# EAGLE board Mk4 Final Panel 6up 3x2 (EAGLE 9.0.1), part 7 of 18 (continued)
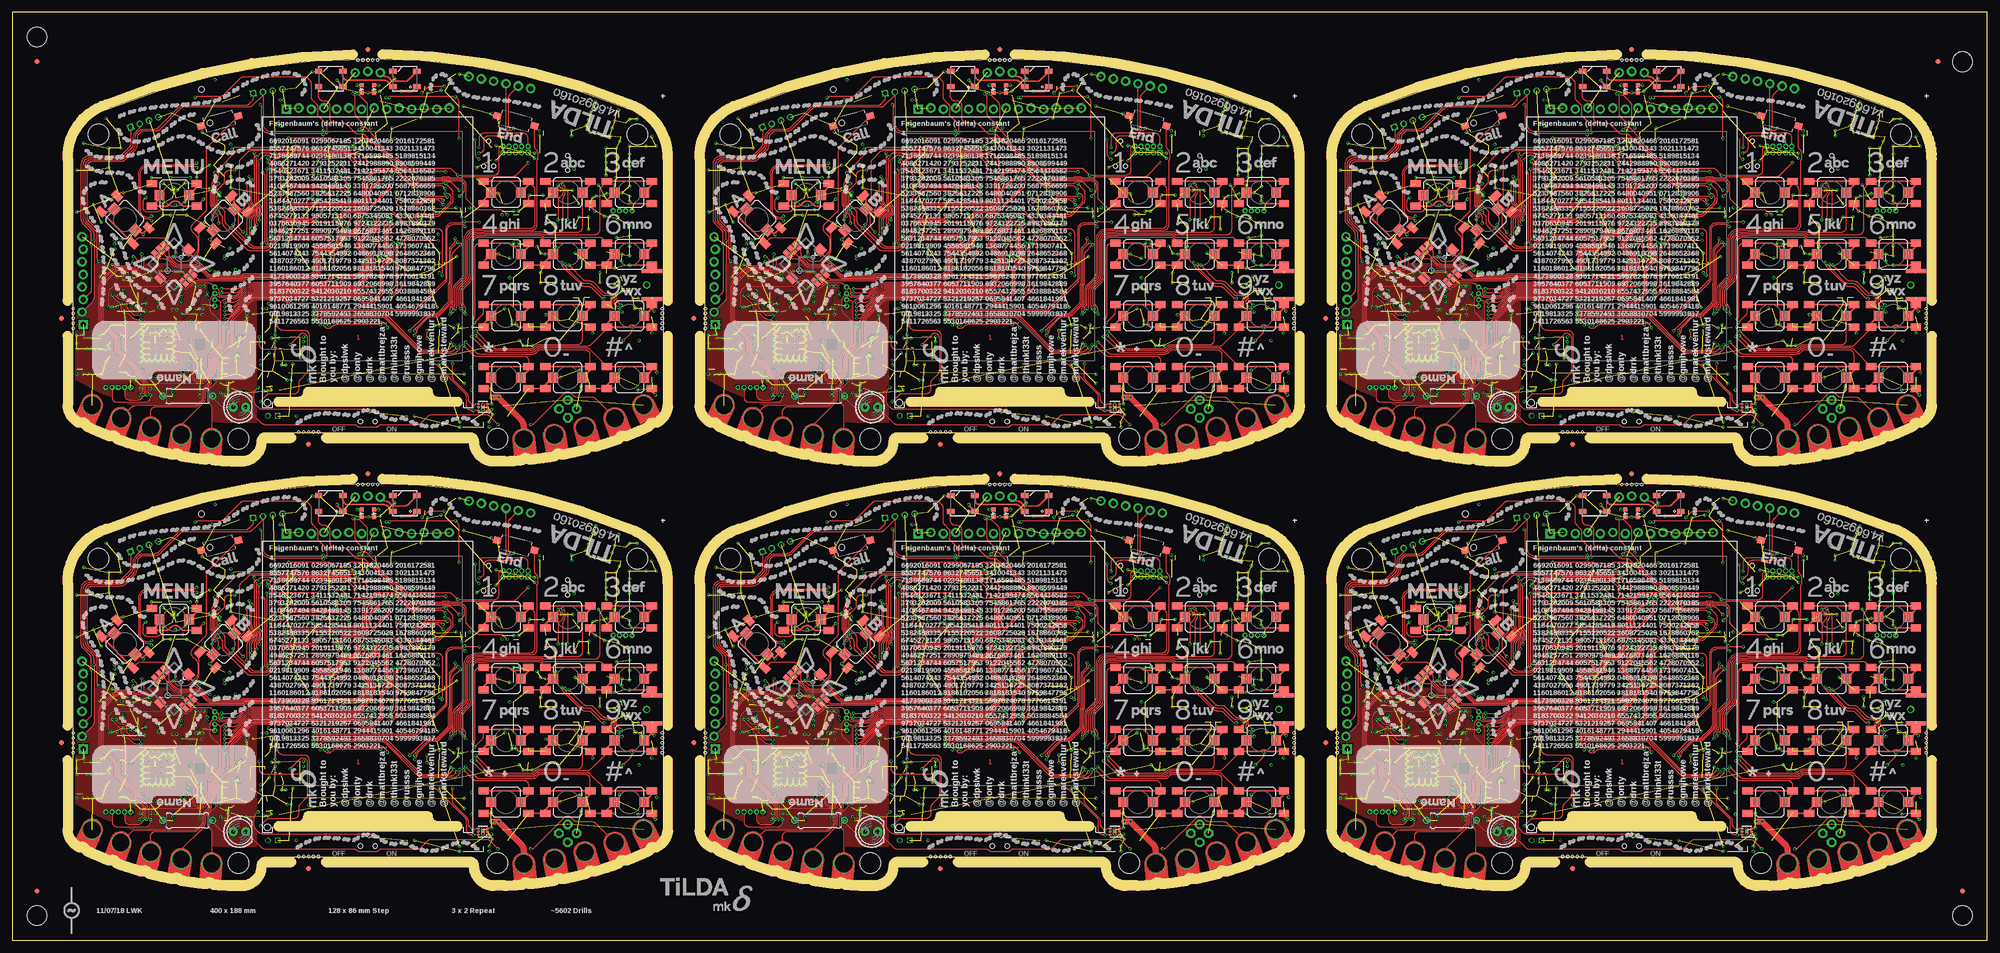
[diagram p0: board, top side]
## Tracks (layer width: path | path; a pad name or v marks a point on that pad's centre or on a via) (continued)
CC_!RTS1
  Bottom 0.2: IC29.50 163.04,37.75 arc-45 163.4,37.6 163.65,37.35 arc45 164.01,37.2 166.05,37.2 arc90 166.55,37.7 166.55,37.8 R148.1
CC_!RTS2
  Bottom 0.2: IC47.50 35.04,123.75 arc-45 35.4,123.6 35.65,123.35 arc45 36.01,123.2 38.05,123.2 arc90 38.55,123.7 38.55,123.8 R226.1
CC_!RTS3
  Bottom 0.2: IC65.50 163.04,123.75 arc-45 163.4,123.6 163.65,123.35 arc45 164.01,123.2 166.05,123.2 arc90 166.55,123.7 166.55,123.8 R304.1
CC_!RTS4
  Bottom 0.2: IC83.50 291.04,37.75 arc-45 291.4,37.6 291.65,37.35 arc45 292.01,37.2 294.05,37.2 arc90 294.55,37.7 294.55,37.8 R382.1
CC_!RTS6
  Bottom 0.2: IC119.50 291.04,123.75 arc-45 291.4,123.6 291.65,123.35 arc45 292.01,123.2 294.05,123.2 arc90 294.55,123.7 294.55,123.8 R538.1
CC_IRQ  (via drill 0.3)
  Top 0.15: v26.25,29.44 26.27,29.41 26.27,29.23 28.56,26.94 arc45 29.26,26.65 38.15,26.65 arc90 39.4,27.9 arc-45 39.91,29.14 39.96,29.18 arc45 40.4,30.25 40.4,31.6 arc-45 40.99,33.01 42.12,34.15 arc45 42.56,35.21 42.56,38.02 arc-45 42.86,38.73 47.99,43.86 arc-45 49.05,44.3 69.69,44.3 arc-45 70.39,44.01 70.91,43.49 arc45 71.61,43.2 71.89,43.2 arc45 72.59,43.49 74.21,45.11 arc45 74.5,45.81 74.5,49.68 arc-45 74.94,50.74 75.96,51.76 arc45 76.33,52.64 76.33,53.09 76.3,53.12 arc45 76.12,53.56 75.89,53.78 arc-45 75.6,54.49 75.6,57.44 arc-45 75.89,58.15 76.13,58.39 arc45 76.28,58.74 76.28,59.27 arc-45 76.42,59.62 v76.8,60
  Bottom 0.15: R72.1 26.25,27.75 v26.25,29.44 IC15.15 | IC1.123 78.82,60.8 arc45 78.78,60.78 arc-45 78.64,60.73 78.36,60.73 arc-45 78.22,60.78 78.17,60.84 arc45 78.03,60.9 76.08,60.9 arc90 75.58,60.4 75.58,60.2 arc90 76.08,59.7 76.5,59.7 v76.8,60
CC_IRQ1  (via drill 0.3)
  Top 0.15: v154.25,29.44 154.28,29.41 154.28,29.23 156.56,26.94 arc45 157.26,26.65 166.15,26.65 arc90 167.4,27.9 arc-45 167.91,29.14 167.96,29.18 arc45 168.4,30.25 168.4,31.6 arc-45 168.99,33.01 170.12,34.15 arc45 170.56,35.21 170.56,38.02 arc-45 170.86,38.73 175.99,43.86 arc-45 177.05,44.3 197.69,44.3 arc-45 198.39,44.01 198.91,43.49 arc45 199.61,43.2 199.89,43.2 arc45 200.59,43.49 202.21,45.11 arc45 202.5,45.81 202.5,49.68 arc-45 202.94,50.74 203.96,51.76 arc45 204.32,52.64 204.32,53.09 204.3,53.12 arc45 204.12,53.56 203.89,53.78 arc-45 203.6,54.49 203.6,57.44 arc-45 203.89,58.15 204.13,58.39 arc45 204.28,58.74 204.28,59.27 arc-45 204.42,59.62 v204.8,60
  Bottom 0.15: R150.1 154.25,27.75 v154.25,29.44 IC29.15 | IC20.123 206.82,60.8 arc45 206.78,60.78 arc-45 206.63,60.73 206.37,60.73 arc-45 206.22,60.78 206.17,60.84 arc45 206.03,60.9 204.07,60.9 arc90 203.57,60.4 203.57,60.2 arc90 204.07,59.7 204.5,59.7 v204.8,60
CC_IRQ2  (via drill 0.3)
  Top 0.15: v26.25,115.44 26.27,115.41 26.27,115.22 28.56,112.94 arc45 29.26,112.65 38.15,112.65 arc90 39.4,113.9 arc-45 39.91,115.14 39.96,115.19 arc45 40.4,116.25 40.4,117.6 arc-45 40.99,119.01 42.12,120.15 arc45 42.56,121.21 42.56,124.02 arc-45 42.86,124.73 47.99,129.86 arc-45 49.05,130.3 69.69,130.3 arc-45 70.39,130.01 70.91,129.49 arc45 71.61,129.2 71.89,129.2 arc45 72.59,129.49 74.21,131.11 arc45 74.5,131.81 74.5,135.68 arc-45 74.94,136.74 75.96,137.76 arc45 76.33,138.64 76.33,139.09 76.3,139.12 arc45 76.12,139.56 75.89,139.78 arc-45 75.6,140.49 75.6,143.44 arc-45 75.89,144.15 76.13,144.39 arc45 76.28,144.74 76.28,145.27 arc-45 76.42,145.62 v76.8,146
  Bottom 0.15: R228.1 26.25,113.75 v26.25,115.44 IC47.15 | IC38.123 78.82,146.8 arc45 78.78,146.78 arc-45 78.64,146.72 78.36,146.72 arc-45 78.22,146.78 78.17,146.84 arc45 78.03,146.9 76.08,146.9 arc90 75.58,146.4 75.58,146.2 arc90 76.08,145.7 76.5,145.7 v76.8,146
CC_IRQ3  (via drill 0.3)
  Top 0.15: v154.25,115.44 154.28,115.41 154.28,115.22 156.56,112.94 arc45 157.26,112.65 166.15,112.65 arc90 167.4,113.9 arc-45 167.91,115.14 167.96,115.19 arc45 168.4,116.25 168.4,117.6 arc-45 168.99,119.01 170.12,120.15 arc45 170.56,121.21 170.56,124.02 arc-45 170.86,124.73 175.99,129.86 arc-45 177.05,130.3 197.69,130.3 arc-45 198.39,130.01 198.91,129.49 arc45 199.61,129.2 199.89,129.2 arc45 200.59,129.49 202.21,131.11 arc45 202.5,131.81 202.5,135.68 arc-45 202.94,136.74 203.96,137.76 arc45 204.32,138.64 204.32,139.09 204.3,139.12 arc45 204.12,139.56 203.89,139.78 arc-45 203.6,140.49 203.6,143.44 arc-45 203.89,144.15 204.13,144.39 arc45 204.28,144.74 204.28,145.27 arc-45 204.42,145.62 v204.8,146
  Bottom 0.15: R306.1 154.25,113.75 v154.25,115.44 IC65.15 | IC56.123 206.82,146.8 arc45 206.78,146.78 arc-45 206.63,146.72 206.37,146.72 arc-45 206.22,146.78 206.17,146.84 arc45 206.03,146.9 204.07,146.9 arc90 203.57,146.4 203.57,146.2 arc90 204.07,145.7 204.5,145.7 v204.8,146
CC_IRQ4  (via drill 0.3)
  Top 0.15: v282.25,29.44 282.27,29.41 282.27,29.23 284.56,26.94 arc45 285.26,26.65 294.15,26.65 arc90 295.4,27.9 arc-45 295.91,29.14 295.96,29.18 arc45 296.4,30.25 296.4,31.6 arc-45 296.99,33.01 298.12,34.15 arc45 298.56,35.21 298.56,38.02 arc-45 298.86,38.73 303.99,43.86 arc-45 305.05,44.3 325.69,44.3 arc-45 326.39,44.01 326.91,43.49 arc45 327.61,43.2 327.89,43.2 arc45 328.59,43.49 330.21,45.11 arc45 330.5,45.81 330.5,49.68 arc-45 330.94,50.74 331.96,51.76 arc45 332.32,52.64 332.32,53.09 332.3,53.12 arc45 332.12,53.56 331.89,53.78 arc-45 331.6,54.49 331.6,57.44 arc-45 331.89,58.15 332.13,58.39 arc45 332.27,58.74 332.27,59.27 arc-45 332.42,59.62 v332.8,60
  Bottom 0.15: R384.1 282.25,27.75 v282.25,29.44 IC83.15 | IC74.123 334.82,60.8 arc45 334.78,60.78 arc-45 334.63,60.73 334.37,60.73 arc-45 334.22,60.78 334.17,60.84 arc45 334.02,60.9 332.07,60.9 arc90 331.57,60.4 331.57,60.2 arc90 332.07,59.7 332.5,59.7 v332.8,60
CC_IRQ6  (via drill 0.3)
  Top 0.15: v282.25,115.44 282.27,115.41 282.27,115.22 284.56,112.94 arc45 285.26,112.65 294.15,112.65 arc90 295.4,113.9 arc-45 295.91,115.14 295.96,115.19 arc45 296.4,116.25 296.4,117.6 arc-45 296.99,119.01 298.12,120.15 arc45 298.56,121.21 298.56,124.02 arc-45 298.86,124.73 303.99,129.86 arc-45 305.05,130.3 325.69,130.3 arc-45 326.39,130.01 326.91,129.49 arc45 327.61,129.2 327.89,129.2 arc45 328.59,129.49 330.21,131.11 arc45 330.5,131.81 330.5,135.68 arc-45 330.94,136.74 331.96,137.76 arc45 332.32,138.64 332.32,139.09 332.3,139.12 arc45 332.12,139.56 331.89,139.78 arc-45 331.6,140.49 331.6,143.44 arc-45 331.89,144.15 332.13,144.39 arc45 332.27,144.74 332.27,145.27 arc-45 332.42,145.62 v332.8,146
  Bottom 0.15: R540.1 282.25,113.75 v282.25,115.44 IC119.15 | IC110.123 334.82,146.8 arc45 334.78,146.78 arc-45 334.63,146.72 334.37,146.72 arc-45 334.22,146.78 334.17,146.84 arc45 334.02,146.9 332.07,146.9 arc90 331.57,146.4 331.57,146.2 arc90 332.07,145.7 332.5,145.7 v332.8,146
CC_RCT_XTAL_N
  Bottom 0.25: C100.2 38.05,33.25 X3.P$1 37.25,33.2 arc-90 36.75,33.7 36.75,35.44 arc45 36.6,35.8 36.15,36.25 arc45 35.79,36.4 35.56,36.4 arc-45 35.2,36.55 35.15,36.6 arc45 34.79,36.75 IC15.52
CC_RCT_XTAL_N1
  Bottom 0.25: C208.2 166.05,33.25 X7.P$1 165.25,33.2 arc-90 164.75,33.7 164.75,35.44 arc45 164.6,35.8 164.15,36.25 arc45 163.79,36.4 163.56,36.4 arc-45 163.2,36.55 163.15,36.6 arc45 162.79,36.75 IC29.52
CC_RCT_XTAL_N2
  Bottom 0.25: C316.2 38.05,119.25 X11.P$1 37.25,119.2 arc-90 36.75,119.7 36.75,121.44 arc45 36.6,121.8 36.15,122.25 arc45 35.79,122.4 35.56,122.4 arc-45 35.2,122.55 35.15,122.6 arc45 34.79,122.75 IC47.52
CC_RCT_XTAL_N3
  Bottom 0.25: C424.2 166.05,119.25 X15.P$1 165.25,119.2 arc-90 164.75,119.7 164.75,121.44 arc45 164.6,121.8 164.15,122.25 arc45 163.79,122.4 163.56,122.4 arc-45 163.2,122.55 163.15,122.6 arc45 162.79,122.75 IC65.52
CC_RCT_XTAL_N4
  Bottom 0.25: C532.2 294.05,33.25 X19.P$1 293.25,33.2 arc-90 292.75,33.7 292.75,35.44 arc45 292.6,35.8 292.15,36.25 arc45 291.79,36.4 291.56,36.4 arc-45 291.2,36.55 291.15,36.6 arc45 290.79,36.75 IC83.52
CC_RCT_XTAL_N6
  Bottom 0.25: C748.2 294.05,119.25 X27.P$1 293.25,119.2 arc-90 292.75,119.7 292.75,121.44 arc45 292.6,121.8 292.15,122.25 arc45 291.79,122.4 291.56,122.4 arc-45 291.2,122.55 291.15,122.6 arc45 290.79,122.75 IC119.52
CC_RESERVED@1
  Bottom 0.15: IC29.19 152.72,31.75 arc90 152.47,31.5 152.47,30.53 153,30.01 R143.1
CC_RESERVED@2
  Bottom 0.15: IC47.19 24.73,117.75 arc90 24.48,117.5 24.48,116.53 25,116.01 R221.1
CC_RESERVED@3
  Bottom 0.15: IC65.19 152.72,117.75 arc90 152.47,117.5 152.47,116.53 153,116.01 R299.1
CC_RESERVED@4
  Bottom 0.15: IC83.19 280.73,31.75 arc90 280.48,31.5 280.48,30.53 281,30.01 R377.1
CC_RESERVED@6
  Bottom 0.15: IC119.19 280.73,117.75 arc90 280.48,117.5 280.48,116.53 281,116.01 R533.1
CC_RESERVED@19
  Bottom 0.15: IC15.19 24.73,31.75 arc90 24.48,31.5 24.48,30.53 25,30.01 R65.1
CC_RTC_XTAL_P
  Bottom 0.25: C101.2 38.05,36.25 X3.P$2 36.91,36.3 arc-45 36.55,36.45 36.32,36.68 arc45 35.97,36.83 35.85,36.83 arc-45 35.5,36.97 35.37,37.1 arc45 35.01,37.25 IC15.51
CC_RTC_XTAL_P1
  Bottom 0.25: C209.2 166.05,36.25 X7.P$2 164.91,36.3 arc-45 164.55,36.45 164.32,36.68 arc45 163.97,36.83 163.85,36.83 arc-45 163.5,36.97 163.37,37.1 arc45 163.01,37.25 IC29.51
CC_RTC_XTAL_P2
  Bottom 0.25: C317.2 38.05,122.25 X11.P$2 36.91,122.3 arc-45 36.55,122.45 36.32,122.68 arc45 35.97,122.83 35.85,122.83 arc-45 35.5,122.97 35.37,123.1 arc45 35.01,123.25 IC47.51
CC_RTC_XTAL_P3
  Bottom 0.25: C425.2 166.05,122.25 X15.P$2 164.91,122.3 arc-45 164.55,122.45 164.32,122.68 arc45 163.97,122.83 163.85,122.83 arc-45 163.5,122.97 163.37,123.1 arc45 163.01,123.25 IC65.51
CC_RTC_XTAL_P4
  Bottom 0.25: C533.2 294.05,36.25 X19.P$2 292.91,36.3 arc-45 292.55,36.45 292.32,36.68 arc45 291.97,36.83 291.85,36.83 arc-45 291.5,36.97 291.37,37.1 arc45 291.01,37.25 IC83.51
CC_RTC_XTAL_P6
  Bottom 0.25: C749.2 294.05,122.25 X27.P$2 292.91,122.3 arc-45 292.55,122.45 292.32,122.68 arc45 291.97,122.83 291.85,122.83 arc-45 291.5,122.97 291.37,123.1 arc45 291.01,123.25 IC119.51
CC_TEST1
  Bottom 0.15: IC29.62 162.32,31.75 arc-90 162.53,31.55 162.53,29.27 TP38.TP
CC_TEST2
  Bottom 0.15: IC47.62 34.33,117.75 arc-90 34.52,117.55 34.52,115.28 TP57.TP
CC_TEST3
  Bottom 0.15: IC65.62 162.32,117.75 arc-90 162.53,117.55 162.53,115.28 TP76.TP
CC_TEST4
  Bottom 0.15: IC83.62 290.32,31.75 arc-90 290.52,31.55 290.52,29.27 TP95.TP
CC_TEST6
  Bottom 0.15: IC119.62 290.32,117.75 arc-90 290.52,117.55 290.52,115.28 TP133.TP
CC_TEST62
  Bottom 0.15: IC15.62 34.33,31.75 arc-90 34.52,31.55 34.52,29.27 TP19.TP
CC_WLAN_XTAL_
  Bottom 0.15: X4.3 19.88,30.32 20.51,30.96 arc-45 21.21,31.25 22.04,31.25 arc-45 22.74,30.96 C99.2 arc90 23.88,31.68 23.88,32.5 arc-90 24.62,33.25 IC15.22
CC_WLAN_XTAL_1
  Bottom 0.15: X8.3 147.88,30.32 148.51,30.96 arc-45 149.21,31.25 150.04,31.25 arc-45 150.74,30.96 C207.2 arc90 151.88,31.68 151.88,32.5 arc-90 152.62,33.25 IC29.22
CC_WLAN_XTAL_2
  Bottom 0.15: X12.3 19.88,116.33 20.51,116.96 arc-45 21.21,117.25 22.04,117.25 arc-45 22.74,116.96 C315.2 arc90 23.88,117.67 23.88,118.5 arc-90 24.62,119.25 IC47.22
CC_WLAN_XTAL_3
  Bottom 0.15: X16.3 147.88,116.33 148.51,116.96 arc-45 149.21,117.25 150.04,117.25 arc-45 150.74,116.96 C423.2 arc90 151.88,117.67 151.88,118.5 arc-90 152.62,119.25 IC65.22
CC_WLAN_XTAL_4
  Bottom 0.15: X20.3 275.88,30.32 276.51,30.96 arc-45 277.21,31.25 278.04,31.25 arc-45 278.74,30.96 C531.2 arc90 279.88,31.68 279.88,32.5 arc-90 280.62,33.25 IC83.22
CC_WLAN_XTAL_6
  Bottom 0.15: X28.3 275.88,116.33 276.51,116.96 arc-45 277.21,117.25 278.04,117.25 arc-45 278.74,116.96 C747.2 arc90 279.88,117.67 279.88,118.5 arc-90 280.62,119.25 IC119.22
CC_WLAN_XTAL_P
  Bottom 0.15: X4.1 22.38,31.75 C98.2 arc90 23.58,32.38 23.58,32.75 arc-90 24.58,33.75 IC15.23
CC_WLAN_XTAL_P1
  Bottom 0.15: X8.1 150.38,31.75 C206.2 arc90 151.57,32.38 151.57,32.75 arc-90 152.57,33.75 IC29.23
CC_WLAN_XTAL_P2
  Bottom 0.15: X12.1 22.38,117.75 C314.2 arc90 23.58,118.38 23.58,118.75 arc-90 24.58,119.75 IC47.23
CC_WLAN_XTAL_P3
  Bottom 0.15: X16.1 150.38,117.75 C422.2 arc90 151.57,118.38 151.57,118.75 arc-90 152.57,119.75 IC65.23
CC_WLAN_XTAL_P4
  Bottom 0.15: X20.1 278.38,31.75 C530.2 arc90 279.57,32.38 279.57,32.75 arc-90 280.57,33.75 IC83.23
CC_WLAN_XTAL_P6
  Bottom 0.15: X28.1 278.38,117.75 C746.2 arc90 279.57,118.38 279.57,118.75 arc-90 280.57,119.75 IC119.23
DCDC_ANA_SW
  Bottom 0.25: 28.25,42.7 IC15.38
  Bottom 0.4: L7.2 27.6,44.21 arc45 27.89,43.51 27.96,43.44 arc-45 28.25,42.74 28.25,42.7
DCDC_ANA_SW1
  Bottom 0.25: 156.25,42.7 IC29.38
  Bottom 0.4: L16.2 155.6,44.21 arc45 155.89,43.51 155.96,43.44 arc-45 156.25,42.74 156.25,42.7
DCDC_ANA_SW2
  Bottom 0.25: 28.25,128.7 IC47.38
  Bottom 0.4: L25.2 27.6,130.21 arc45 27.89,129.51 27.96,129.44 arc-45 28.25,128.74 28.25,128.7
DCDC_ANA_SW3
  Bottom 0.25: 156.25,128.7 IC65.38
  Bottom 0.4: L34.2 155.6,130.21 arc45 155.89,129.51 155.96,129.44 arc-45 156.25,128.74 156.25,128.7
DCDC_ANA_SW4
  Bottom 0.25: 284.25,42.7 IC83.38
  Bottom 0.4: L43.2 283.6,44.21 arc45 283.89,43.51 283.96,43.44 arc-45 284.25,42.74 284.25,42.7
DCDC_ANA_SW6
  Bottom 0.25: 284.25,128.7 IC119.38
  Bottom 0.4: L61.2 283.6,130.21 arc45 283.89,129.51 283.96,129.44 arc-45 284.25,128.74 284.25,128.7
DCDC_DIG_SW
  Bottom 0.25: IC15.43 30.75,39.79 arc-45 31.04,40.49 31.56,41.01 arc45 31.85,41.71 arc-45 32.12,42.37 32.21,42.46 arc-45 32.91,42.75 35.85,42.75 L9.2
DCDC_DIG_SW1
  Bottom 0.25: IC29.43 158.75,39.79 arc-45 159.04,40.49 159.56,41.01 arc45 159.85,41.71 arc-45 160.12,42.37 160.21,42.46 arc-45 160.91,42.75 163.85,42.75 L18.2
DCDC_DIG_SW2
  Bottom 0.25: IC47.43 30.75,125.79 arc-45 31.04,126.49 31.56,127.01 arc45 31.85,127.71 arc-45 32.12,128.37 32.21,128.46 arc-45 32.91,128.75 35.85,128.75 L27.2
DCDC_DIG_SW3
  Bottom 0.25: IC65.43 158.75,125.79 arc-45 159.04,126.49 159.56,127.01 arc45 159.85,127.71 arc-45 160.12,128.37 160.21,128.46 arc-45 160.91,128.75 163.85,128.75 L36.2
DCDC_DIG_SW4
  Bottom 0.25: IC83.43 286.75,39.79 arc-45 287.04,40.49 287.56,41.01 arc45 287.85,41.71 arc-45 288.12,42.37 288.21,42.46 arc-45 288.91,42.75 291.85,42.75 L45.2
DCDC_DIG_SW6
  Bottom 0.25: IC119.43 286.75,125.79 arc-45 287.04,126.49 287.56,127.01 arc45 287.85,127.71 arc-45 288.12,128.37 288.21,128.46 arc-45 288.91,128.75 291.85,128.75 L63.2
DCDC_PA_SW_N
  Bottom 0.25: IC15.41 29.75,40.29 arc-45 30.04,40.99 30.75,41.7
  Bottom 0.3: 30.75,41.7 30.75,41.76 31,42.01 31,44 31.1,44.1
  Bottom 0.5: 31.1,44.1 31.1,45.59 arc45 30.95,45.95 30.3,46.6 L8.1
DCDC_PA_SW_N1
  Bottom 0.25: IC29.41 157.75,40.29 arc-45 158.04,40.99 158.75,41.7
  Bottom 0.3: 158.75,41.7 158.75,41.76 159,42.01 159,44 159.1,44.1
  Bottom 0.5: 159.1,44.1 159.1,45.59 arc45 158.95,45.95 158.3,46.6 L17.1
DCDC_PA_SW_N2
  Bottom 0.25: IC47.41 29.75,126.29 arc-45 30.04,126.99 30.75,127.7
  Bottom 0.3: 30.75,127.7 30.75,127.76 31,128.01 31,130 31.1,130.1
  Bottom 0.5: 31.1,130.1 31.1,131.59 arc45 30.95,131.95 30.3,132.6 L26.1
DCDC_PA_SW_N3
  Bottom 0.25: IC65.41 157.75,126.29 arc-45 158.04,126.99 158.75,127.7
  Bottom 0.3: 158.75,127.7 158.75,127.76 159,128.01 159,130 159.1,130.1
  Bottom 0.5: 159.1,130.1 159.1,131.59 arc45 158.95,131.95 158.3,132.6 L35.1
DCDC_PA_SW_N4
  Bottom 0.25: IC83.41 285.75,40.29 arc-45 286.04,40.99 286.75,41.7
  Bottom 0.3: 286.75,41.7 286.75,41.76 287,42.01 287,44 287.1,44.1
  Bottom 0.5: 287.1,44.1 287.1,45.59 arc45 286.95,45.95 286.3,46.6 L44.1
DCDC_PA_SW_N6
  Bottom 0.25: IC119.41 285.75,126.29 arc-45 286.04,126.99 286.75,127.7
  Bottom 0.3: 286.75,127.7 286.75,127.76 287,128.01 287,130 287.1,130.1
  Bottom 0.5: 287.1,130.1 287.1,131.59 arc45 286.95,131.95 286.3,132.6 L62.1
DCDC_PA_SW_P
  Bottom 0.25: IC15.40 29.25,40.55 arc-45 29.54,41.26 30.25,41.97 30.45,42.17
  Bottom 0.4: L8.2 30.45,44.4 30.45,42.17
DCDC_PA_SW_P1
  Bottom 0.25: IC29.40 157.25,40.55 arc-45 157.54,41.26 158.45,42.17
  Bottom 0.4: L17.2 158.45,44.4 158.45,42.17
DCDC_PA_SW_P2
  Bottom 0.25: IC47.40 29.25,126.55 arc-45 29.54,127.26 30.45,128.17
  Bottom 0.4: L26.2 30.45,130.4 30.45,128.17
DCDC_PA_SW_P3
  Bottom 0.25: IC65.40 157.25,126.55 arc-45 157.54,127.26 158.45,128.17
  Bottom 0.4: L35.2 158.45,130.4 158.45,128.17
DCDC_PA_SW_P4
  Bottom 0.25: IC83.40 285.25,40.55 arc-45 285.54,41.26 286.45,42.17
  Bottom 0.4: L44.2 286.45,44.4 286.45,42.17
DCDC_PA_SW_P6
  Bottom 0.25: IC119.40 285.25,126.55 arc-45 285.54,127.26 286.45,128.17
  Bottom 0.4: L62.2 286.45,130.4 286.45,128.17
EN0RXI_N
  Bottom 0.22: IC1.53 63.41,66.8 63.4,66.81 61.1,66.81 arc-90 58.81,69.1 58.81,69.3 58.81,76.8 arc-90 62.2,80.19 68.3,80.19 arc90 69.22,81.1 69.22,81.6 JP7.6
EN0RXI_N1
  Bottom 0.22: IC20.53 191.42,66.8 191.4,66.81 189.1,66.81 arc-90 186.81,69.1 186.81,76.8 arc-90 190.2,80.19 196.3,80.19 arc90 197.22,81.1 197.22,81.6 JP12.6
EN0RXI_N2
  Bottom 0.22: IC38.53 63.41,152.8 63.4,152.81 61.1,152.81 arc-90 58.81,155.1 58.81,162.8 arc-90 62.2,166.19 68.3,166.19 arc90 69.22,167.1 69.22,167.6 JP21.6
EN0RXI_N3
  Bottom 0.22: IC56.53 191.42,152.8 191.4,152.81 189.1,152.81 arc-90 186.81,155.1 186.81,162.8 arc-90 190.2,166.19 196.3,166.19 arc90 197.22,167.1 197.22,167.6 JP30.6
EN0RXI_N4
  Bottom 0.22: IC74.53 319.41,66.8 319.4,66.81 317.1,66.81 arc-90 314.81,69.1 314.81,76.8 arc-90 318.2,80.19 324.3,80.19 arc90 325.22,81.1 325.22,81.6 JP39.6
EN0RXI_N6
  Bottom 0.22: IC110.53 319.41,152.8 319.4,152.81 317.1,152.81 arc-90 314.81,155.1 314.81,162.8 arc-90 318.2,166.19 324.3,166.19 arc90 325.22,167.1 325.22,167.6 JP57.6
EN0RXI_P
  Bottom 0.22: IC1.54 63.41,67.2 63.4,67.19 61.1,67.19 arc-90 59.19,69.1 59.19,69.28 59.19,69.3 59.19,76.8 arc-90 62.2,79.81 68.3,79.81 arc90 69.58,81.1 69.58,81.23 JP7.7
EN0RXI_P1
  Bottom 0.22: IC20.54 191.42,67.2 191.4,67.19 189.1,67.19 arc-90 187.19,69.1 187.19,76.8 arc-90 190.2,79.81 196.3,79.81 arc90 197.58,81.1 197.58,81.23 JP12.7
EN0RXI_P2
  Bottom 0.22: IC38.54 63.41,153.2 63.4,153.19 61.1,153.19 arc-90 59.19,155.1 59.19,162.8 arc-90 62.2,165.81 68.3,165.81 arc90 69.58,167.1 69.58,167.23 JP21.7
EN0RXI_P3
  Bottom 0.22: IC56.54 191.42,153.2 191.4,153.19 189.1,153.19 arc-90 187.19,155.1 187.19,162.8 arc-90 190.2,165.81 196.3,165.81 arc90 197.58,167.1 197.58,167.23 JP30.7
EN0RXI_P4
  Bottom 0.22: IC74.54 319.41,67.2 319.4,67.19 317.1,67.19 arc-90 315.19,69.1 315.19,76.8 arc-90 318.2,79.81 324.3,79.81 arc90 325.59,81.1 325.59,81.23 JP39.7
EN0RXI_P6
  Bottom 0.22: IC110.54 319.41,153.2 319.4,153.19 317.1,153.19 arc-90 315.19,155.1 315.19,162.8 arc-90 318.2,165.81 324.3,165.81 arc90 325.59,167.1 325.59,167.23 JP57.7
EN0TXO_N
  Bottom 0.22: IC1.56 63.41,68 63.4,68.02 61.25,68.02 arc-90 59.87,69.4 59.87,76.45 arc-90 62.6,79.19 68.61,79.19 arc45 69.32,79.48 70.53,80.69 arc-45 71.24,80.98 78.36,80.98 arc-45 79.07,80.69 80.03,79.73 arc45 80.74,79.44 83.15,79.44 arc90 84.52,80.8 84.52,81.54 JP7.12
EN0TXO_N1
  Bottom 0.22: IC20.56 191.42,68 191.4,68.02 189.25,68.02 arc-90 187.87,69.4 187.87,76.45 arc-90 190.6,79.19 196.61,79.19 arc45 197.32,79.48 198.53,80.69 arc-45 199.24,80.98 206.36,80.98 arc-45 207.07,80.69 208.03,79.73 arc45 208.74,79.44 211.15,79.44 arc90 212.51,80.8 212.51,81.54 JP12.12
EN0TXO_N2
  Bottom 0.22: IC38.56 63.41,154 63.4,154.01 61.25,154.01 arc-90 59.87,155.4 59.87,162.45 arc-90 62.6,165.19 68.61,165.19 arc45 69.32,165.48 70.53,166.69 arc-45 71.24,166.99 78.36,166.99 arc-45 79.07,166.69 80.03,165.73 arc45 80.74,165.44 83.15,165.44 arc90 84.52,166.8 84.52,167.54 JP21.12
EN0TXO_N3
  Bottom 0.22: IC56.56 191.42,154 191.4,154.01 189.25,154.01 arc-90 187.87,155.4 187.87,162.45 arc-90 190.6,165.19 196.61,165.19 arc45 197.32,165.48 198.53,166.69 arc-45 199.24,166.99 206.36,166.99 arc-45 207.07,166.69 208.03,165.73 arc45 208.74,165.44 211.15,165.44 arc90 212.51,166.8 212.51,167.54 JP30.12
EN0TXO_N4
  Bottom 0.22: IC74.56 319.41,68 319.4,68.02 317.25,68.02 arc-90 315.87,69.4 315.87,76.45 arc-90 318.6,79.19 324.61,79.19 arc45 325.32,79.48 326.53,80.69 arc-45 327.24,80.98 334.36,80.98 arc-45 335.07,80.69 336.03,79.73 arc45 336.74,79.44 339.15,79.44 arc90 340.51,80.8 340.51,81.54 JP39.12
EN0TXO_N6
  Bottom 0.22: IC110.56 319.41,154 319.4,154.01 317.25,154.01 arc-90 315.87,155.4 315.87,162.45 arc-90 318.6,165.19 324.61,165.19 arc45 325.32,165.48 326.53,166.69 arc-45 327.24,166.99 334.36,166.99 arc-45 335.07,166.69 336.03,165.73 arc45 336.74,165.44 339.15,165.44 arc90 340.51,166.8 340.51,167.54 JP57.12
EN0TXO_P
  Bottom 0.22: IC1.57 63.41,68.4 63.4,68.38 61.25,68.38 arc-90 60.23,69.4 60.23,69.9 60.23,70 60.23,70.08 60.23,76.45 arc-90 62.6,78.81 68.76,78.81 arc45 69.47,79.11 70.68,80.32 arc-45 71.39,80.61 78.21,80.61 arc-45 78.92,80.32 79.88,79.36 arc45 80.59,79.06 83.15,79.06 arc90 84.89,80.8 84.89,81.29 JP7.13
EN0TXO_P1
  Bottom 0.22: IC20.57 191.42,68.4 191.4,68.38 189.25,68.38 arc-90 188.24,69.4 188.24,76.45 arc-90 190.6,78.81 196.76,78.81 arc45 197.47,79.11 198.68,80.32 arc-45 199.39,80.61 206.21,80.61 arc-45 206.92,80.32 207.88,79.36 arc45 208.59,79.06 211.15,79.06 arc90 212.88,80.8 212.88,81.29 JP12.13
EN0TXO_P2
  Bottom 0.22: IC38.57 63.41,154.4 63.4,154.38 61.25,154.38 arc-90 60.23,155.4 60.23,162.45 arc-90 62.6,164.81 68.76,164.81 arc45 69.47,165.11 70.68,166.32 arc-45 71.39,166.62 78.21,166.62 arc-45 78.92,166.32 79.88,165.36 arc45 80.59,165.06 83.15,165.06 arc90 84.89,166.8 84.89,167.29 JP21.13
EN0TXO_P3
  Bottom 0.22: IC56.57 191.42,154.4 191.4,154.38 189.25,154.38 arc-90 188.24,155.4 188.24,162.45 arc-90 190.6,164.81 196.76,164.81 arc45 197.47,165.11 198.68,166.32 arc-45 199.39,166.62 206.21,166.62 arc-45 206.92,166.32 207.88,165.36 arc45 208.59,165.06 211.15,165.06 arc90 212.88,166.8 212.88,167.29 JP30.13
EN0TXO_P4
  Bottom 0.22: IC74.57 319.41,68.4 319.4,68.38 317.25,68.38 arc-90 316.24,69.4 316.24,76.45 arc-90 318.6,78.81 324.76,78.81 arc45 325.47,79.11 326.68,80.32 arc-45 327.39,80.61 334.21,80.61 arc-45 334.92,80.32 335.88,79.36 arc45 336.59,79.06 339.15,79.06 arc90 340.88,80.8 340.88,81.29 JP39.13
EN0TXO_P6
  Bottom 0.22: IC110.57 319.41,154.4 319.4,154.38 317.25,154.38 arc-90 316.24,155.4 316.24,162.45 arc-90 318.6,164.81 324.76,164.81 arc45 325.47,165.11 326.68,166.32 arc-45 327.39,166.62 334.21,166.62 arc-45 334.92,166.32 335.88,165.36 arc45 336.59,165.06 339.15,165.06 arc90 340.88,166.8 340.88,167.29 JP57.13
ETHLED0
  Bottom 0.15: R1.2 56.5,78.51 arc45 56.79,77.81 57.51,77.09 arc-45 57.8,76.39 57.8,73.94 57.89,73.85 arc-90 57.89,73.15 57.8,73.06 57.8,69.19 57.89,69.1 arc-90 57.89,68.4 57.8,68.31 57.8,66.11 arc45 58.09,65.41 58.61,64.89 arc-45 58.9,64.19 58.9,63.4 arc90 59.9,62.4 IC1.42
ETHLED0_R
  Bottom 0.15: R1.1 arc-90 57.5,81 59.09,81 arc45 59.79,81.29 60.57,82.07 JP7.3
ETHLED0_R1
  Bottom 0.15: R85.1 arc-90 185.5,81 187.09,81 arc45 187.79,81.29 188.57,82.07 JP12.3
ETHLED0_R2
  Bottom 0.15: R163.1 arc-90 57.5,167 59.09,167 arc45 59.79,167.29 60.57,168.07 JP21.3
ETHLED0_R3
  Bottom 0.15: R241.1 arc-90 185.5,167 187.09,167 arc45 187.79,167.29 188.57,168.07 JP30.3
ETHLED0_R4
  Bottom 0.15: R319.1 arc-90 313.5,81 315.09,81 arc45 315.79,81.29 316.57,82.07 JP39.3
ETHLED0_R6
  Bottom 0.15: R475.1 arc-90 313.5,167 315.09,167 arc45 315.79,167.29 316.57,168.07 JP57.3
ETHLED1
  Bottom 0.15: R2.2 57.5,78.01 arc45 57.79,77.31 57.81,77.29 arc-45 58.1,76.59 58.1,74.07 58.14,74.03 arc-90 58.14,72.97 58.1,72.93 58.1,69.32 58.14,69.28 arc-90 58.14,68.22 58.1,68.18 58.1,66.31 arc45 58.39,65.61 59.01,64.99 arc-45 59.3,64.29 59.3,63.8 arc90 60.3,62.8 IC1.43
ETHLED1_R
  Bottom 0.15: R2.1 57.5,80.2 arc-90 58,80.7 59.42,80.7 arc45 59.77,80.85 59.78,80.85 arc-45 60.13,81 64.09,81 arc45 64.79,81.29 65.65,82.15 JP7.5
ETHLED1_R1
  Bottom 0.15: R86.1 185.5,80.2 arc-90 186,80.7 187.42,80.7 arc45 187.77,80.85 187.78,80.85 arc-45 188.13,81 192.09,81 arc45 192.79,81.29 193.65,82.15 JP12.5
ETHLED1_R2
  Bottom 0.15: R164.1 57.5,166.2 arc-90 58,166.7 59.42,166.7 arc45 59.77,166.85 59.78,166.85 arc-45 60.13,167 64.09,167 arc45 64.79,167.29 65.65,168.15 JP21.5
ETHLED1_R3
  Bottom 0.15: R242.1 185.5,166.2 arc-90 186,166.7 187.42,166.7 arc45 187.77,166.85 187.78,166.85 arc-45 188.13,167 192.09,167 arc45 192.79,167.29 193.65,168.15 JP30.5
ETHLED1_R4
  Bottom 0.15: R320.1 313.5,80.2 arc-90 314,80.7 315.42,80.7 arc45 315.77,80.85 315.78,80.85 arc-45 316.13,81 320.09,81 arc45 320.79,81.29 321.65,82.15 JP39.5
ETHLED1_R6
  Bottom 0.15: R476.1 313.5,166.2 arc-90 314,166.7 315.42,166.7 arc45 315.77,166.85 315.78,166.85 arc-45 316.13,167 320.09,167 arc45 320.79,167.29 321.65,168.15 JP57.5
ETHLED2
  Bottom 0.15: R85.2 184.5,78.51 arc45 184.79,77.81 185.51,77.09 arc-45 185.8,76.39 185.8,73.94 185.89,73.85 arc-90 185.89,73.15 185.8,73.06 185.8,69.19 185.89,69.1 arc-90 185.89,68.4 185.8,68.31 185.8,66.11 arc45 186.09,65.41 186.61,64.89 arc-45 186.9,64.19 186.9,63.4 arc90 187.9,62.4 IC20.42
ETHLED3
  Bottom 0.15: R86.2 185.5,78.01 arc45 185.79,77.31 185.81,77.29 arc-45 186.1,76.59 186.1,74.07 186.14,74.03 arc-90 186.14,72.97 186.1,72.93 186.1,69.32 186.14,69.28 arc-90 186.14,68.22 186.1,68.18 186.1,66.31 arc45 186.39,65.61 187.01,64.99 arc-45 187.3,64.29 187.3,63.8 arc90 188.3,62.8 IC20.43
ETHLED4
  Bottom 0.15: R163.2 56.5,164.51 arc45 56.79,163.81 57.51,163.09 arc-45 57.8,162.39 57.8,159.94 57.89,159.85 arc-90 57.89,159.15 57.8,159.06 57.8,155.19 57.89,155.1 arc-90 57.89,154.4 57.8,154.31 57.8,152.11 arc45 58.09,151.41 58.61,150.89 arc-45 58.9,150.19 58.9,149.4 arc90 59.9,148.4 IC38.42
ETHLED5